# Altium PCB Charge ContollerV2.PcbDoc (part 1 of 2) (continued)
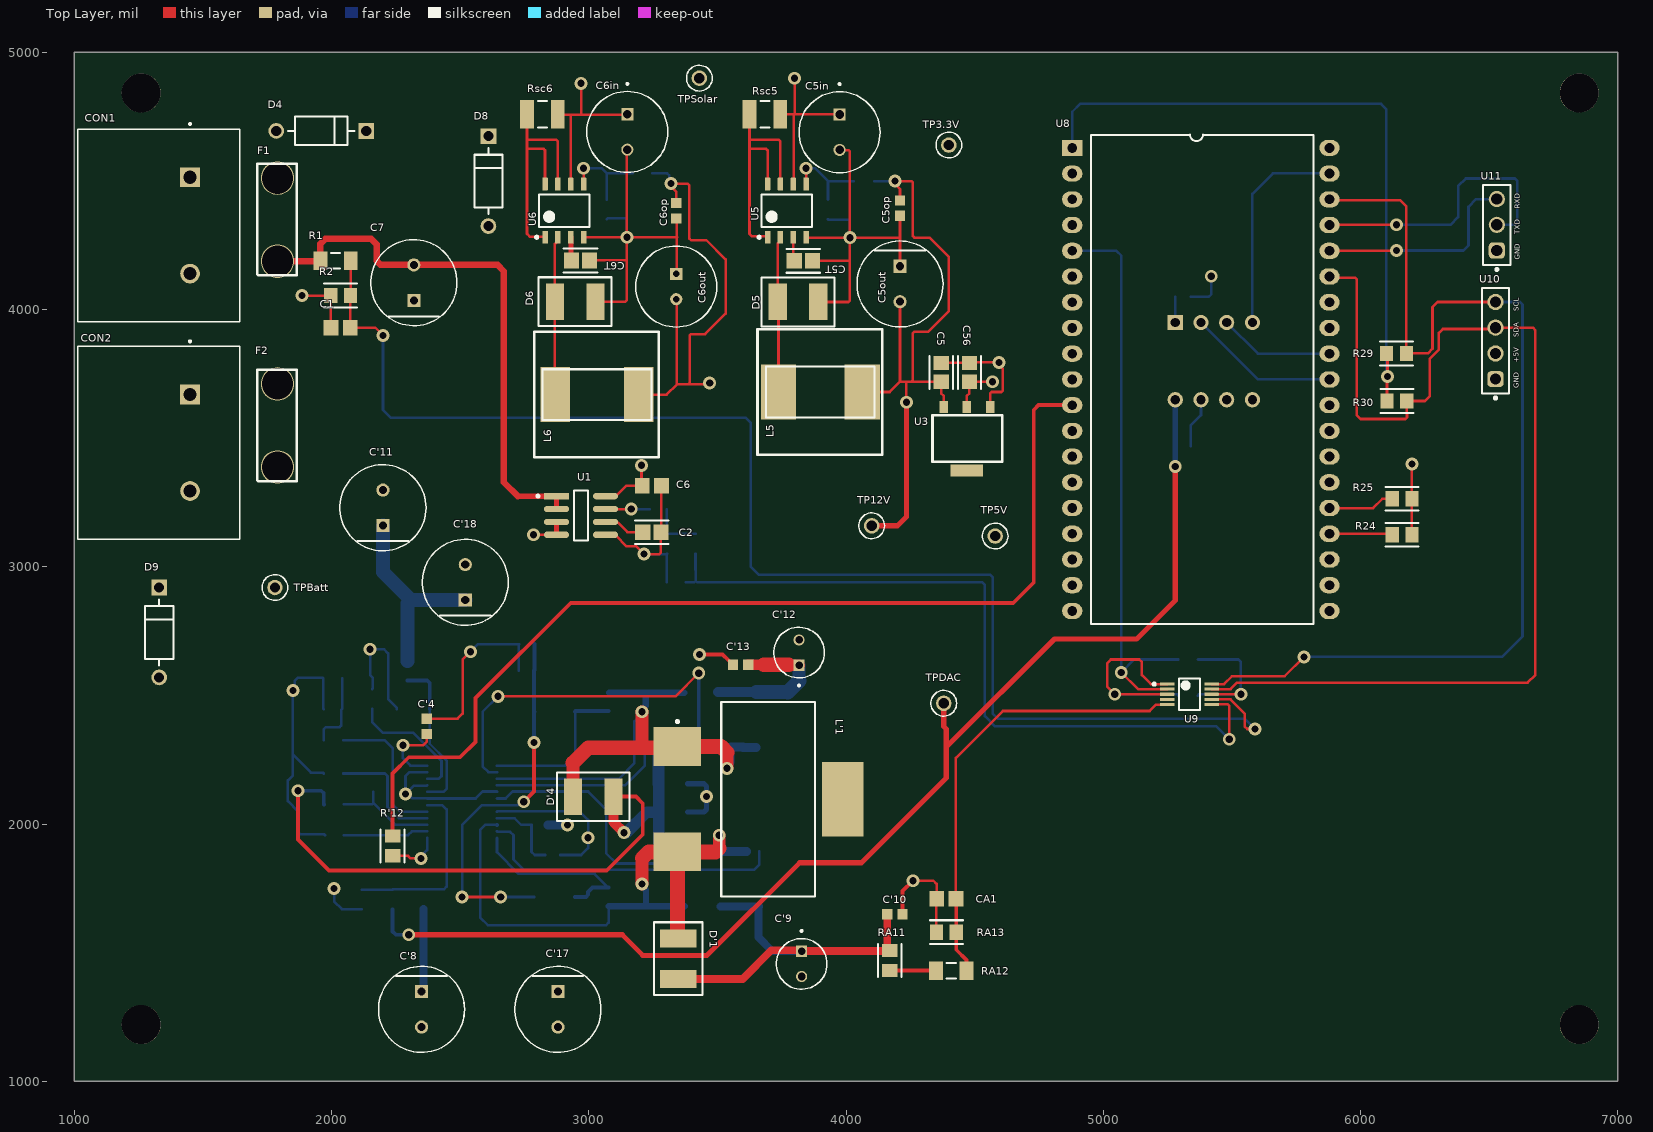
[diagram p0: Top Layer view]
## Components (designator, comment, footprint, x,y, rotation, side; value= is the part's Value field where it differs from the comment) (continued)
R'3 "0.068" "(1206) RESC3216X70X50NL05T20" 3327.5,2156.97 r180 bottom value=68mΩ
R'4 "0.068" "(1206) RESC3216X70X50NL05T20" 3327.5,2046.97 r180 bottom value=68mΩ
R'5 "100" FP-CRGCQ0805-IPC_A 2007.5,2196.97 r180 bottom value=100Ω
R'6 "178k" FP-RMCF0805-IPC_A 2357.5,1708.55 r270 bottom value=178kΩ
R'7 "Comment" "FP-CRGCQ0805-IPC_A - duplicate" 2237.5,1706.97 r270 bottom
R'8 "10.2k" FP-RMCF0805-IPC_A 2117.5,1706.97 r90 bottom value=10.2kΩ
R'9 "10k" FP-CRGCQ0805-IPC_A 2157.5,2486.97 r270 bottom value=10kΩ
R'10 "100k" "FP-CRGCQ0805-IPC_A - duplicate" 2007.5,2326.97 r0 bottom value=100kΩ
R'11 "10k" FP-CRGCQ0805-IPC_A 2295.27,2596.31 r90 bottom value=10kΩ
R'12 "10k" FP-CRGCQ0805-IPC_A 2237.5,1915.4 r270 top value=10kΩ
RA11 "100k" "FP-CRGCQ0805-IPC_A - duplicate" 4170,1470 r90 top value=100kΩ
RA12 "56k" FP-CRGCQ1206-IPC_A 4409.1,1430 r180 top value=56kΩ
RA13 "10k" FP-CRGCQ0805-IPC_A 4390,1580 r0 top value=10kΩ
Rsc5 "0.33" RESC3125X70X40ML20T20 3684.96,4760 r180 top value=330mΩ
Rsc6 "0.33" RESC3125X70X40ML20T20 2820,4760 r180 top value=330mΩ
TP3.3V "Comment" KEYSTONE_5000#1 4400,4640 r0 top
TP5V "Comment" KEYSTONE_5000#1 4580,3120 r0 top
TP12V "Comment" KEYSTONE_5000#1 4100,3160 r0 top
TPBatt "Comment" KEYSTONE_5000#1 1780,2920 r0 top
TPDAC "Comment" KEYSTONE_5000#2 4380,2470 r0 top
TPSolar "Comment" KEYSTONE_5000#1 3430,4900 r0 top
U1 "ACS712-30A" FP-LC-8-IPC_A 2969.88,3200 r0 top
U3 "AMS1117-5.0" AMS1117 4560.55,3621.06 r270 top
U4 "LTC3780" LT-G-24_N 2507.5,2086.97 r0 bottom
U5 "MC33063ADR" D0008A_L 3770,4385 r90 top
U6 "MC33063ADR" D0008A_L 2905,4385 r90 top
U7 "MCP4822-E/P (DAC)" "(DAC) PDIP300-P8" 5430,3800 r270 bottom
U8 "ESP32-DEVKITC-32UE" ESP32 4879.49,4628.94 r0 top
U9 "ADS1115" FP-DGS0010A-MFG 5335,2505 r0 top
U10 "Display Interface Port" "4 pin headers (male)" 6525,3879.21 r90 top
U11 "UART Pins" "UART Pins" 6530,4330 r90 top

## Footprints (in the part's own frame and the unit in brackets; to place one, negate y for a bottom-side part, rotate by r counter-clockwise, add the part's x,y. Pads: shape width x height; smd on the part's side, far side on the other; paste and mask are expansions set on the pad)
"4 pin headers (male)" [mm]
  rrect50% 1.6x1.6 hole 1.1: 1(-3.79,0)
  round 1.6 hole 1.1: 2(-1.25,0) 3(1.29,0) 4(3.83,0)
  silkscreen extent -5.78,-1.35 5.2,1.35
"(4.7u) COIL-SER2013-3_V" [mm] "SMD, 3-Leads, Body 19.18x9.27mm, Height 12.95mm"
  rect 3.81x4.7 smd: 1(-5.205,-8.96) 2(5.205,-8.96)
  rect 7.37x4.06 smd: 3(0,7.36)
  silkscreen extent -9.59,-9.08 9.59,4.63, body extent -9.59,-4.63 9.59,4.64, height 12.95
"(22u) CAPPRD250W50D500H1100" [mm]
  round 1.1 hole 0.75: N(1.25,0)
  rect 1.1x1.1 / inner round 1.1 / far side rect 1.1x1.1 hole 0.75: P(-1.25,0)
  silkscreen extent -3.35,-2.5 2.5,2.5, body extent -2.5,-2.5 2.5,2.5, height 11
"(0805) RESC2013X50X30LL20T20" [mm] "Chip Resistor, 2-Leads, Body 2.00x1.25mm, IPC High Density"
  rect 0.85x1.35 smd: 1(-0.825,0) 2(0.825,0)
  silkscreen extent -0.1,-0.58 0.1,0.58, body extent -1.1,-0.72 1.1,0.72, height 0.5
"(1206) RESC3216X70X50NL05T20" [mm] "Chip Resistor, 2-Leads, Body 3.20x1.60mm, IPC Medium Density"
  rect 1.1x1.65 smd: 1(-1.425,0) 2(1.425,0)
  silkscreen extent -0.5,-0.72 0.5,0.72, body extent -1.63,-0.82 1.62,0.82, height 0.7
"(DAC) PDIP300-P8" [mm] "8-Pin Plastic Dual In-Line Package (PDIP)"
  rect 1.5x1.5 hole 0.9: 1(-3.81,3.81)
  round 1.5 hole 0.9: 2(-3.81,1.27) 3(-3.81,-1.27) 4(-3.81,-3.81) 5(3.81,-3.81) 6(3.81,-1.27) 7(3.81,1.27) 8(3.81,3.81)
  silkscreen extent -3.93,-4.9 2.65,5.23, body extent -3.55,-4.9 3.55,4.9, height 4.32
"(KEMET 0805) FP-C0805C-DN-IPC_A" [mil]
  rect 59.24x61.27 smd paste+0 mask+0: 1(-35.46,0) 2(35.46,0)
  silkscreen extent -65,-46 65,46, body extent -39,-25 39,25, height 35
"(MMSZ5231BT1) ONSC-SOD-123-2-425-04_V" [mm] "SOD, 2-Leads, Body 2.69x1.6mm"
  rect 0.91x1.22 smd: 1(-1.635,0) 2(1.635,0)
  silkscreen extent -1.76,-0.8 0.78,1.28, body extent -1.35,-0.8 1.35,0.8, height 1.35
AMS1117 [mm]
  rect 1.2x0.85 smd: 1(0,0) 2(0,-2.3) 2(0,-4.6)
  rect 1.2x3.2 smd: 4(6.25,-2.3)
  silkscreen extent 0.8,-5.7 5.4,1.2, body extent -1.15,-5.8 7.35,1.2, height 0.25
CAPC1608X100N [mm]
  rect 1x1.02 smd: 1(-0.759,0) 2(0.759,0)
  body extent -0.8,-0.4 0.8,0.4, height 0.95
CAPC2013X140X45ML15T25 [mm] "Chip Capacitor, 2-Leads, Body 2.00x1.25mm, IPC Low Density"
  rect 1.45x1.55 smd: 1(-0.95,0) 2(0.95,0)
  body extent -1.08,-0.7 1.07,0.7, height 1.4
CAPPRD350W60D800H1150 [mm]
  round 1.2 hole 0.85: N(1.75,0)
  rect 1.2x1.2 hole 0.85: P(-1.75,0)
  silkscreen extent -4.85,-4 4,4, body extent -4,-4 4,4, height 11.5
CDBA3100 [mm]
  rect 1.8x3.6 smd: A(-2,0) K(2,0)
  silkscreen extent -3.6,-2.4 3.6,2.4, body extent -2.64,-1.4 2.64,1.4, height 2.34
D0008A_L [mm] "SOIC, 8-Leads, Body 5x4mm, Pitch 1.27mm, IPC High Density"
  rrect18% 1.25x0.55 smd: 1(-2.625,1.905) 2(-2.625,0.635) 3(-2.625,-0.635) 4(-2.625,-1.905) 5(2.625,-1.905) 6(2.625,-0.635) 7(2.625,0.635) 8(2.625,1.905)
  silkscreen extent -2.75,-2.5 1.6,2.85, body extent -3,-2.45 3,2.45, height 1.63
EEU-FR1E221 [mm]
  round 1.2 hole 0.65: N(1.25,0)
  rect 1.2x1.2 hole 0.65: P(-1.25,0)
  silkscreen extent -4,-4 4,4, body extent -3.39,-3.4 3.39,3.4, height 12.7
ESP32 [mm]
  rect 2x1.6 hole 0.965: 1(0,0)
  oval 2x1.6 hole 0.965: 2(0,-2.54) 3(0,-5.08) 4(0,-7.62) 5(0,-10.16) 6(0,-12.7) 7(0,-15.24) 8(0,-17.78) 9(0,-20.32) 10(0,-22.86) 11(0,-25.4) 12(0,-27.94) 13(0,-30.48) 14(0,-33.02) 15(0,-35.56) 16(0,-38.1) 17(0,-40.64) 18(0,-43.18) 19(0,-45.72) 20(25.4,-45.72) 21(25.4,-43.18) 22(25.4,-40.64) 23(25.4,-38.1) 24(25.4,-35.56) 25(25.4,-33.02) 26(25.4,-30.48) 27(25.4,-27.94) 28(25.4,-25.4) 29(25.4,-22.86) 30(25.4,-20.32) 31(25.4,-17.78) 32(25.4,-15.24) 33(25.4,-12.7) 34(25.4,-10.16) 35(25.4,-7.62) 36(25.4,-5.08) 37(25.4,-2.54) 38(25.4,0)
  silkscreen extent 1.84,-46.99 23.8,1.3
FDS5670 [mm]
  rect 1.525x0.7 smd: 1(-2.712,1.905) 2(-2.712,0.635) 3(-2.712,-0.635) 4(-2.712,-1.905) 5(2.712,-1.905) 6(2.712,-0.635) 7(2.712,0.635) 8(2.712,1.905)
  silkscreen extent -3.47,-2.45 1.6,2.61, body extent -3,-2.45 3,2.45, height 1.75
FP-1N4007-MFG [mm]
  rect 1.55x1.55 hole 1 paste-2539.97 mask+0: 1(-4.44,0)
  round 1.55 hole 1 paste-2539.97 mask+0: 2(4.44,0)
  silkscreen extent -3.26,-1.4 3.26,1.4, body extent -5.32,-1.5 5.32,1.5, height 0.25
FP-0297-MFG [mm]
  round 3.3 hole 3.1: 1(-4.1,0) 2(4.1,0)
  silkscreen extent -5.5,-1.9 5.5,2, body extent -5.45,-1.79 5.45,1.97, height 9.3
FP-CRGCQ0603-IPC_A [mil]
  rect 45.6x39.85 smd paste+0 mask+0: 1(-32.56,0) 2(32.56,0)
  silkscreen extent -55,-36 55,36, body extent -31,-16 31,16, height 22
FP-CRGCQ0805-IPC_A [mil]
  rect 51.42x59.44 smd paste+0 mask+0: 1(-38.43,0) 2(38.43,0)
  silkscreen extent -64,-46 64,46, body extent -84,-49 84,49, height 10
"FP-CRGCQ0805-IPC_A - duplicate" [mil]
  rect 51.42x59.44 smd paste+0 mask+0: 1(-38.43,0) 2(38.43,0)
  silkscreen extent -64,-46 64,46, body extent -39,-25 39,25, height 26
FP-CRGCQ1206-IPC_A [mil]
  rect 53.39x71.25 smd paste+0 mask+0: 1(-59.1,0) 2(59.1,0)
  silkscreen extent -18,-31 18,31, body extent -105,-55 105,55, height 10
FP-DGS0010A-MFG [mm]
  rrect33% 1.45x0.3 smd paste+0 mask+0: 1(-2.2,1) 2(-2.2,0.5) 3(-2.2,0) 4(-2.2,-0.5) 5(-2.2,-1) 6(2.2,-1) 7(2.2,-0.5) 8(2.2,0) 9(2.2,0.5) 10(2.2,1)
  silkscreen extent -3.6,-1.55 1.05,1.55, body extent -3.03,-1.8 3.03,1.8, height 0.25
FP-GCM21B-0_2-e0_3_0_75-IPC_A [mil]
  rect 59.24x61.27 smd paste+0 mask+0: 1(-35.46,0) 2(35.46,0)
  silkscreen extent -65,-46 65,46, body extent -85,-50 85,50, height 10
FP-GCM21B-0_15-IPC_A [mil]
  rect 55.34x59.38 smd paste+0 mask+0: 1(-36.47,0) 2(36.47,0)
  silkscreen extent -64,-45 64,45, body extent -39,-25 39,25, height 55
FP-GRM21B-0_15-IPC_A [mil]
  rect 55.34x59.38 smd paste+0 mask+0: 1(-36.47,0) 2(36.47,0)
  silkscreen extent -64,-45 64,45, body extent -39,-25 39,25, height 55
FP-LC-8-IPC_A [mil]
  rect 97.4x24.49 smd paste+0 mask+0: 1(-95.12,75)
  rrect100% 97.4x24.49 smd paste+0 mask+0: 2(-95.12,25) 3(-95.12,-25) 4(-95.12,-75) 5(95.12,-75) 6(95.12,-25) 7(95.12,25) 8(95.12,75)
  silkscreen extent -172,-96 27,96, body extent -164,-116 164,116, height 10
"FP-RAD-TH-D_8_0_5-L_11_5-MFG - duplicate" [mm]
  rect 1.3x1.3 hole 0.8 paste-2539.97 mask+0: 1(-1.75,0)
  round 1.3 hole 0.8 paste-2539.97 mask+0: 2(1.75,0)
  silkscreen extent -4.25,-4.25 4.25,4.25, body extent -4.35,-4.35 4.35,4.35, height 0.25
FP-RAD-TH-D_8_0_5-L_15_1-MFG [mm]
  rect 1.3x1.3 hole 0.8 paste-2539.97 mask+0: 1(-1.75,0)
  round 1.3 hole 0.8 paste-2539.97 mask+0: 2(1.75,0)
  silkscreen extent -4.25,-4.25 4.25,4.25, body extent -4.35,-4.35 4.35,4.35, height 0.25
FP-RMCF0805-IPC_A [mil]
  rect 53.33x57.56 smd paste+0 mask+0: 1(-38.42,0) 2(38.42,0)
  silkscreen extent -65,-45 65,45, body extent -39,-25 39,25, height 26
KEYSTONE_5000#1 [mm]
  round 1.53 hole 1.02: TP(0,0)
  silkscreen extent -1.27,-1.27 1.27,1.27, body extent -1.27,-1.27 1.27,1.27, height 4.57
KEYSTONE_5000#2 [mm]
  round 1.53 hole 1.02: TPDAC(0,0)
  silkscreen extent -1.27,-1.27 1.27,1.27, body extent -1.27,-1.27 1.27,1.27, height 4.57
LT-G-24_N [mm] "SOP, 24-Leads, Body 8.5x5.6mm, Pitch 0.65mm, IPC Medium Density"
  oval 2.1x0.45 smd: 1(-3.45,3.575) 2(-3.45,2.925) 3(-3.45,2.275) 4(-3.45,1.625) 5(-3.45,0.975) 6(-3.45,0.325) 7(-3.45,-0.325) 8(-3.45,-0.975) 9(-3.45,-1.625) 10(-3.45,-2.275) 11(-3.45,-2.925) 12(-3.45,-3.575) 13(3.45,-3.575) 14(3.45,-2.925) 15(3.45,-2.275) 16(3.45,-1.625) 17(3.45,-0.975) 18(3.45,-0.325) 19(3.45,0.325) 20(3.45,0.975) 21(3.45,1.625) 22(3.45,2.275) 23(3.45,2.925) 24(3.45,3.575)
  silkscreen extent -3.57,-4.25 2,4.47, body extent -2.8,-4.25 2.8,4.25, height 2
PHOENIX_1902547 [mm]
  rect 1.95x1.95 / inner round 1.95 / far side rect 1.95x1.95 hole 1.3: 1(4.76,11.1)
  round 1.95 hole 1.3: 2(14.28,11.1)
  silkscreen extent -0.6,0 19.04,16
RESC2013X60X30ML20T20 [mm] "Chip Resistor, 2-Leads, Body 2.00x1.25mm, IPC Low Density"
  rect 1.25x1.55 smd: 1(-1.025,0) 2(1.025,0)
  silkscreen extent -0.1,-0.67 0.1,0.67, body extent -1.1,-0.72 1.1,0.72, height 0.6
RESC3125X70X40ML20T20 [mm] "Chip Resistor, 2-Leads, Body 3.10x2.50mm, IPC Low Density"
  rect 1.35x2.8 smd: 1(-1.525,0) 2(1.525,0)
  silkscreen extent -0.45,-1.3 0.45,1.3, body extent -1.65,-1.35 1.65,1.35, height 0.7
SRR1260-681K [mm]
  rect 2.9x5.4 smd: 1(-4.125,0) 2(4.125,0)
  silkscreen extent -6.2,-6.2 6.1,6.2, body extent -6.25,-6.25 6.25,6.25, height 6
SRR1280-821K [mm]
  rect 3.5x5.4 smd: 1(-4.125,0) 2(4.125,0)
  silkscreen extent -6.2,-6.2 6.1,6.2, body extent -6.35,-6.35 6.35,6.35, height 8.25
"UART Pins" [mm]
  rrect50% 1.6x1.6 hole 1.1: 1(-2.54,0)
  round 1.6 hole 1.1: 2(0,0) 3(2.54,0)
  silkscreen extent -4.53,-1.35 3.95,1.35

## Part data
C1 C6 C20 CA1: library part GCM21BR71E104KA37L, "Ceramic Capacitor, Ceramic, 25V, 10% +Tol, 10% -Tol, X7R, 15% TC, 0.1uF, Surface Mount, 0805", Case Code (Imperial)=0805, Case Code (Metric)=2012, Dielectric=X7R, Dielectric Material=Ceramic, Manufacturer=Murata, Manufacturer Lifecycle Status=NRND, Max Operating Temperature=125°C, Min Operating Temperature=-55°C, Ratings=AEC-Q200, Supplier Part Number=490-14779-1-ND, Tolerance=10%, Voltage Rating=25V, Case/Package=0805, Category="Ceramic Capacitors", ComponentLink1Description=https://datasheet.octopart.com:443/GCM21BR71E104KA37L-Murata-datasheet-141268656.pdf?src-supplier=Geoflip, ComponentLink1URL=https://datasheet.octopart.com:443/GCM21BR71E104KA37L-Murata-datasheet-141268656.pdf?src-supplier=Geoflip, ComponentLink2Description=https://datasheet.octopart.com:443/GCM21BR71E104KA37L-Murata-datasheet-140660253.pdf?src-supplier=Ciiva, ComponentLink2URL=https://datasheet.octopart.com:443/GCM21BR71E104KA37L-Murata-datasheet-140660253.pdf?src-supplier=Ciiva, ComponentLink3Description=https://datasheet.octopart.com:443/GCM21BR71E104KA37L-Murata-datasheet-138719617.pdf?src-supplier=Ciiva, ComponentLink3URL=https://datasheet.octopart.com:443/GCM21BR71E104KA37L-Murata-datasheet-138719617.pdf?src-supplier=Ciiva, ComponentLink4Description=https://datasheet.octopart.com:443/GCM21BR71E104KA37L-Murata-datasheet-128592896.pdf?src-supplier=X-ON, ComponentLink4URL=https://datasheet.octopart.com:443/GCM21BR71E104KA37L-Murata-datasheet-128592896.pdf?src-supplier=X-ON, ComponentLink5Description=https://datasheet.octopart.com/GCM21BR71E104KA37L-Murata-datasheet-14404970.pdf, ComponentLink5URL=https://datasheet.octopart.com/GCM21BR71E104KA37L-Murata-datasheet-14404970.pdf, ComponentLink6Description=http://sigma.octopart.com:80/reach_statement/Murata-company-16.pdf?src-supplier=Compliance+Statements, ComponentLink6URL=http://sigma.octopart.com:80/reach_statement/Murata-company-16.pdf?src-supplier=Compliance+Statements, Depth=1.25mm, Height=1.25mm, Length=2mm, Lifecycle Status=NRND, Manufacturer Part Number=GCM21BR71E104KA37L, Mounting Technology="Surface Mount", Number of Terminals=2, Pricing="1=0.35, 10=0.208, 50=0.1528, 100=0.1358, 500=0.10726, 1000=0.09846 (USD)", Radiation Hardening=No, REACH SVHC=Yes, RoHS=Compliant, Schedule B="8532240020, 8532240020|8532240020|8532240020|8532240020|8532240020", Stock=12316, Supplier=DigiKey, Termination=SMD/SMT, Voltage Rating (DC)=25V, Width=1.25mm
C2 C5T C6T: library part GCM21B5C2J102JX03L, "0805 0.001 uF 630 V ±5% Tolerance C0G/NP0 SMT Multilayer Ceramic Capacitor", Case/Package=0805, Dielectric Material=Ceramic, Manufacturer=Murata, Manufacturer Lifecycle Status="IN PRODUCTION", Max Operating Temperature=125°C, Min Operating Temperature=-55°C, Supplier Part Number=490-GCM21B5C2J102JX03LCT-ND, Temperature Coefficient=30ppm/°C, Tolerance=5%, Voltage Rating=630V, Category="Ceramic Capacitors", ComponentLink1Description=https://datasheet.octopart.com:443/GCM21B5C2J102JX03L-Murata-datasheet-141268573.pdf?src-supplier=Geoflip, ComponentLink1URL=https://datasheet.octopart.com:443/GCM21B5C2J102JX03L-Murata-datasheet-141268573.pdf?src-supplier=Geoflip, ComponentLink2Description=https://datasheet.octopart.com:443/GCM21B5C2J102JX03L-Murata-datasheet-155238819.pdf?src-supplier=Farnell, ComponentLink2URL=https://datasheet.octopart.com:443/GCM21B5C2J102JX03L-Murata-datasheet-155238819.pdf?src-supplier=Farnell, ComponentLink3Description=https://datasheet.octopart.com:443/GCM21B5C2J102JX03L-Murata-datasheet-140660053.pdf?src-supplier=Ciiva, ComponentLink3URL=https://datasheet.octopart.com:443/GCM21B5C2J102JX03L-Murata-datasheet-140660053.pdf?src-supplier=Ciiva, ComponentLink4Description=https://datasheet.octopart.com:443/GCM21B5C2J102JX03L-Murata-datasheet-138719490.pdf?src-supplier=Ciiva, ComponentLink4URL=https://datasheet.octopart.com:443/GCM21B5C2J102JX03L-Murata-datasheet-138719490.pdf?src-supplier=Ciiva, ComponentLink5Description=https://datasheet.octopart.com:443/GCM21B5C2J102JX03L-Murata-datasheet-12511495.pdf?src-supplier=TME, ComponentLink5URL=https://datasheet.octopart.com:443/GCM21B5C2J102JX03L-Murata-datasheet-12511495.pdf?src-supplier=TME, ComponentLink6Description=http://sigma.octopart.com:80/reach_statement/Murata-company-16.pdf?src-supplier=Compliance+Statements, ComponentLink6URL=http://sigma.octopart.com:80/reach_statement/Murata-company-16.pdf?src-supplier=Compliance+Statements, Height=1.25mm, Length=2mm, Lifecycle Status=Production, Manufacturer Part Number=GCM21B5C2J102JX03L, Material=Ceramic, Mounting Technology="Surface Mount", Number of Terminals=2, Pricing="1=0.3, 10=0.175, 50=0.1276, 100=0.1131, 500=0.08846, 1000=0.08087 (USD)", REACH SVHC=Yes, RoHS=Compliant, Stock=5835, Supplier=DigiKey, Thickness=1.25mm, Voltage Rating (DC)=630V, Width=1.25mm
C5 C56: library part GRM21BC81E106KE51L, "Ceramic Capacitor, Ceramic, 25V, 10% +Tol, 10% -Tol, X6S, 22% TC, 10uF, Surface Mount, 0805", Case Code (Imperial)=0805, Case Code (Metric)=2012, Dielectric=X6S, Dielectric Material=Ceramic, Manufacturer=Murata, Manufacturer Lifecycle Status="IN PRODUCTION", Max Operating Temperature=105°C, Min Operating Temperature=-55°C, Supplier Part Number=490-10502-1-ND, Tolerance=10%, Voltage Rating=25V, Case/Package=0805, Category="Ceramic Capacitors", ComponentLink1Description=https://datasheet.octopart.com:443/GRM21BC81E106KE51L-Murata-datasheet-155239200.pdf?src-supplier=Newark, ComponentLink1URL=https://datasheet.octopart.com:443/GRM21BC81E106KE51L-Murata-datasheet-155239200.pdf?src-supplier=Newark, ComponentLink2Description=https://datasheet.octopart.com:443/GRM21BC81E106KE51L-Murata-datasheet-178521784.pdf?src-supplier=Arrow.cn, ComponentLink2URL=https://datasheet.octopart.com:443/GRM21BC81E106KE51L-Murata-datasheet-178521784.pdf?src-supplier=Arrow.cn, ComponentLink3Description=https://datasheet.octopart.com:443/GRM21BC81E106KE51L-Murata-datasheet-165579666.pdf?src-supplier=TME, ComponentLink3URL=https://datasheet.octopart.com:443/GRM21BC81E106KE51L-Murata-datasheet-165579666.pdf?src-supplier=TME, ComponentLink4Description=https://datasheet.octopart.com:443/GRM21BC81E106KE51L-Murata-datasheet-140707432.pdf?src-supplier=Ciiva, ComponentLink4URL=https://datasheet.octopart.com:443/GRM21BC81E106KE51L-Murata-datasheet-140707432.pdf?src-supplier=Ciiva, ComponentLink5Description=https://datasheet.octopart.com:443/GRM21BC81E106KE51L-Murata-datasheet-140706587.pdf?src-supplier=Ciiva, ComponentLink5URL=https://datasheet.octopart.com:443/GRM21BC81E106KE51L-Murata-datasheet-140706587.pdf?src-supplier=Ciiva, ComponentLink6Description=https://datasheet.octopart.com:443/GRM21BC81E106KE51L-Murata-datasheet-138744753.pdf?src-supplier=Ciiva, ComponentLink6URL=https://datasheet.octopart.com:443/GRM21BC81E106KE51L-Murata-datasheet-138744753.pdf?src-supplier=Ciiva, ComponentLink7Description=https://datasheet.octopart.com:443/GRM21BC81E106KE51L-Murata-datasheet-32479577.pdf?src-supplier=Future+Electronics, ComponentLink7URL=https://datasheet.octopart.com:443/GRM21BC81E106KE51L-Murata-datasheet-32479577.pdf?src-supplier=Future+Electronics, ComponentLink8Description=https://datasheet.octopart.com/GRM21BC81E106KE51L-Murata-datasheet-12515295.pdf, ComponentLink8URL=https://datasheet.octopart.com/GRM21BC81E106KE51L-Murata-datasheet-12515295.pdf, ComponentLink9Description=https://datasheet.octopart.com/GRM21BC81E106KE51L-Murata-datasheet-12510076.pdf, ComponentLink9URL=https://datasheet.octopart.com/GRM21BC81E106KE51L-Murata-datasheet-12510076.pdf, ComponentLink10Description=https://datasheet.octopart.com/GRM21BC81E106KE51L-Murata-datasheet-11978611.pdf, ComponentLink10URL=https://datasheet.octopart.com/GRM21BC81E106KE51L-Murata-datasheet-11978611.pdf, ComponentLink11Description=https://datasheet.octopart.com/GRM21BC81E106KE51L-Murata-datasheet-10025737.pdf, ComponentLink11URL=https://datasheet.octopart.com/GRM21BC81E106KE51L-Murata-datasheet-10025737.pdf, ComponentLink12Description=https://datasheet.octopart.com/GRM21BC81E106KE51L-Murata-datasheet-8819587.pdf, ComponentLink12URL=https://datasheet.octopart.com/GRM21BC81E106KE51L-Murata-datasheet-8819587.pdf, ComponentLink13Description=https://datasheet.octopart.com/GRM21BC81E106KE51L-Murata-datasheet-38883375.pdf, ComponentLink13URL=https://datasheet.octopart.com/GRM21BC81E106KE51L-Murata-datasheet-38883375.pdf, ComponentLink14Description=http://sigma.octopart.com:80/reach_statement/Murata-company-16.pdf?src-supplier=Compliance+Statements, ComponentLink14URL=http://sigma.octopart.com:80/reach_statement/Murata-company-16.pdf?src-supplier=Compliance+Statements, Height=1.25mm, Length=2mm, Lifecycle Status=Production, Manufacturer Part Number=GRM21BC81E106KE51L, Material=Ceramic, Mounting Technology="Surface Mount", Number of Terminals=2, Pricing="1=0.23, 10=0.133, 50=0.0956, 100=0.0841, 500=0.06476, 1000=0.05881 (USD)", REACH SVHC=Yes, RoHS=Compliant, Schedule B="8532240020, 8532240020|8532240020|8532240020|8532240020|8532240020|8532240020|8532240020|8532240020|8532240020|8532240020|8532240020|8532240020|8532240020|8532240020|8532240020|8532240020|8532240020|8532240020|8532240020|8532240020|8532240020|8532240020|8532240020|85", Stock=699194, Supplier=DigiKey, Thickness=1.25mm, Voltage Rating (DC)=25V, Width=1.25mm
C5in C6in: library part EEU-FR1V101B, "FR ALUMINUM ELECTROLYTIC CAPACITOR Radial Can aluminum electrolytic capacitor 0.315Dia 8.00mm ±20% 100muF 35V", Case/Package=Radial, Manufacturer=Panasonic, Max Operating Temperature=105°C, Min Operating Temperature=-40°C, Ripple Current=950mA, Supplier Part Number=P124226CT-ND, Tolerance=20%, Category="Aluminum Electrolytic Capacitors", ComponentLink1Description=https://datasheet.octopart.com:443/EEU-FR1V101B-Panasonic-datasheet-62330550.pdf?src-supplier=Electro+Sonic, ComponentLink1URL=https://datasheet.octopart.com:443/EEU-FR1V101B-Panasonic-datasheet-62330550.pdf?src-supplier=Electro+Sonic, Contact Plating=Tin, Diameter=8mm, Lead Diameter=600µm, Lead Pitch=5mm, Life (Hours)=6000hours, Manufacturer Part Number=EEU-FR1V101B, Mounting Technology="Through Hole", Pricing="1=0.61, 10=0.383, 50=0.2852, 100=0.2542, 500=0.20076 (USD)", RoHS=Compliant, Schedule B="8532220020, 8532220020|8532220020, 8532220020|8532220020|8532220020, 8532220020|8532220020|8532220020|8532220020", Stock=15444, Supplier=DigiKey, Termination=Radial
C5op C6op C'2: library part GRM188R61E475KE11D
C5out C7: library part EEUFR1E221, "Radial Can ALUMINUM ELECTROLYTIC CAPACITOR FR 25V 220muF ±20% 0.315Dia 8.00mm", Case/Package=Radial, Leakage Current=55µA, Manufacturer=Panasonic, Max Operating Temperature=105°C, Min Operating Temperature=-40°C, Ripple Current=665mA, Ripple Current (AC)=950mA, Supplier Part Number=P124223-ND, Tolerance=20%, Voltage=25V, Category="Aluminum Electrolytic Capacitors", ComponentLink1Description=https://datasheet.octopart.com:443/EEUFR1E221-Panasonic-datasheet-182101038.pdf?src-supplier=IHS, ComponentLink1URL=https://datasheet.octopart.com:443/EEUFR1E221-Panasonic-datasheet-182101038.pdf?src-supplier=IHS, ComponentLink2Description=https://datasheet.octopart.com:443/EEUFR1E221-Panasonic-datasheet-62330550.pdf?src-supplier=Electro+Sonic, ComponentLink2URL=https://datasheet.octopart.com:443/EEUFR1E221-Panasonic-datasheet-62330550.pdf?src-supplier=Electro+Sonic, ComponentLink3Description=https://datasheet.octopart.com:443/EEU-FR1E221-Panasonic-datasheet-154766147.pdf?src-supplier=Electro+Sonic, ComponentLink3URL=https://datasheet.octopart.com:443/EEU-FR1E221-Panasonic-datasheet-154766147.pdf?src-supplier=Electro+Sonic, ComponentLink4Description=https://datasheet.octopart.com:443/EEUFR1E221-Panasonic-datasheet-38939130.pdf?src-supplier=element14+APAC, ComponentLink4URL=https://datasheet.octopart.com:443/EEUFR1E221-Panasonic-datasheet-38939130.pdf?src-supplier=element14+APAC, ComponentLink5Description=https://datasheet.octopart.com:443/EEUFR1E221-Panasonic-datasheet-12103130.pdf?src-supplier=Newark, ComponentLink5URL=https://datasheet.octopart.com:443/EEUFR1E221-Panasonic-datasheet-12103130.pdf?src-supplier=Newark, ComponentLink6Description=https://datasheet.octopart.com:443/EEUFR1E221-Panasonic-datasheet-150469843.pdf?src-supplier=TME, ComponentLink6URL=https://datasheet.octopart.com:443/EEUFR1E221-Panasonic-datasheet-150469843.pdf?src-supplier=TME, ComponentLink7Description=https://datasheet.octopart.com:443/EEUFR1E221-Panasonic-datasheet-27908667.pdf?src-supplier=RS+(Formerly+Allied+Electronics), ComponentLink7URL=https://datasheet.octopart.com:443/EEUFR1E221-Panasonic-datasheet-27908667.pdf?src-supplier=RS+(Formerly+Allied+Electronics), Contact Plating=Tin, Diameter=8mm, Dissipation Factor=14%, Height=13mm, Impedance=56mΩ, Lead Diameter=600µm, Lead Pitch=3.5mm, Length=11.5mm, Life (Hours)=6000hours, Lifecycle Status=Production, Manufacturer Part Number=EEUFR1E221, Mounting Technology="Through Hole", Number of Terminals=2, Packaging=Bulk, Pricing="1=0.63, 10=0.392, 50=0.2922, 200=0.2341, 600=0.20098, 1000=0.18857, 2600=0.16944, 5000=0.15889 (USD)", REACH SVHC=Yes, RoHS=Compliant, Stock=3062, Supplier=DigiKey, Terminal Pitch=3.5mm, Termination=Radial, Voltage Rating=25V, Voltage Rating (DC)=25V
C6out: library part ESH227M016AE3AA, "Cap Aluminum Lytic 220uF 16V 20% (6.3 X 11mm) Radial 2.5mm 220mA 2000h 105°C Bag", Case/Package=Radial, Dielectric Material=Aluminium, Leakage Current=35.2µA, Manufacturer=KEMET, Max Operating Temperature=105°C, Min Operating Temperature=-40°C, Ripple Current=220mA, Supplier Part Number=399-6566-ND, Tolerance=20%, Voltage=16V, Category="Aluminum Electrolytic Capacitors", ComponentLink1Description=https://datasheet.octopart.com:443/ESH227M016AE3AA-KEMET-datasheet-182055906.pdf?src-supplier=IHS, ComponentLink1URL=https://datasheet.octopart.com:443/ESH227M016AE3AA-KEMET-datasheet-182055906.pdf?src-supplier=IHS, ComponentLink2Description=https://datasheet.octopart.com:443/ESH227M016AE3AA-KEMET-datasheet-141704034.pdf?src-supplier=Newark, ComponentLink2URL=https://datasheet.octopart.com:443/ESH227M016AE3AA-KEMET-datasheet-141704034.pdf?src-supplier=Newark, ComponentLink3Description=https://datasheet.octopart.com:443/ESH227M016AE3AA-KEMET-datasheet-101608928.pdf?src-supplier=Farnell, ComponentLink3URL=https://datasheet.octopart.com:443/ESH227M016AE3AA-KEMET-datasheet-101608928.pdf?src-supplier=Farnell, ComponentLink4Description=https://datasheet.octopart.com:443/ESH227M016AE3AA-KEMET-datasheet-181964410.pdf?src-supplier=Farnell, ComponentLink4URL=https://datasheet.octopart.com:443/ESH227M016AE3AA-KEMET-datasheet-181964410.pdf?src-supplier=Farnell, ComponentLink5Description=https://datasheet.octopart.com:443/ESH227M016AE3AA-KEMET-datasheet-157246171.pdf?src-supplier=element14+APAC, ComponentLink5URL=https://datasheet.octopart.com:443/ESH227M016AE3AA-KEMET-datasheet-157246171.pdf?src-supplier=element14+APAC, ComponentLink6Description=https://datasheet.octopart.com:443/ESH227M016AE3AA-Kemet-datasheet-11048206.pdf?src-supplier=RS+(Formerly+Allied+Electronics), ComponentLink6URL=https://datasheet.octopart.com:443/ESH227M016AE3AA-Kemet-datasheet-11048206.pdf?src-supplier=RS+(Formerly+Allied+Electronics), Diameter=6.3mm, Dissipation Factor=18%, Features="General Purpose", Height=11mm, Height - Seated (Max)=12.4968mm, Lead Diameter=500µm, Lead Length=20mm, Lead Pitch=2.4892mm, Length=11mm, Life (Hours)=2000hours, Lifecycle Status=Production, Manufacturer Part Number=ESH227M016AE3AA, Mounting Technology="PCB, Through Hole", Number of Terminals=2, Packaging=Bulk, Pricing="1=0.26, 10=0.159, 50=0.1154, 100=0.1014, 500=0.07722, 1000=0.06957, 2500=0.06138, 5000=0.05639 (USD)", REACH SVHC=Yes, RoHS=Compliant, Schedule B="8532220020, 8532220020|8532220020|8532220020|8532220020|8532220020", Stock=18656, Supplier=DigiKey, Terminal Pitch=2.5mm, Termination=Radial, Voltage Rating=16V, Voltage Rating (DC)=16V
C9: library part GCM21BR71E225KA73L, "Ceramic Capacitor, Ceramic, 25V, 10% +Tol, 10% -Tol, X7R, 15% TC, 2.2uF, Surface Mount, 0805", Case Code (Imperial)=0805, Case Code (Metric)=2012, Dielectric=X7R, Dielectric Material=Ceramic, Manufacturer=Murata, Manufacturer Lifecycle Status="IN PRODUCTION", Max Operating Temperature=125°C, Min Operating Temperature=-55°C, Ratings=AEC-Q200, Supplier Part Number=490-4787-1-ND, Tolerance=10%, Voltage=25V, Case/Package=0805, Category="Ceramic Capacitors", ComponentLink1Description=https://datasheet.octopart.com:443/GCM21BR71E225KA73L-Murata-datasheet-39128454.pdf?src-supplier=Newark, ComponentLink1URL=https://datasheet.octopart.com:443/GCM21BR71E225KA73L-Murata-datasheet-39128454.pdf?src-supplier=Newark, ComponentLink2Description=https://datasheet.octopart.com:443/GCM21BR71E225KA73L-Murata-datasheet-62316965.pdf?src-supplier=element14+APAC, ComponentLink2URL=https://datasheet.octopart.com:443/GCM21BR71E225KA73L-Murata-datasheet-62316965.pdf?src-supplier=element14+APAC, ComponentLink3Description=https://datasheet.octopart.com:443/GCM21BR71E225KA73L-Murata-datasheet-141268671.pdf?src-supplier=Geoflip, ComponentLink3URL=https://datasheet.octopart.com:443/GCM21BR71E225KA73L-Murata-datasheet-141268671.pdf?src-supplier=Geoflip, ComponentLink4Description=https://datasheet.octopart.com/GCM21BR71E225KA73L-Murata-datasheet-12524114.pdf, ComponentLink4URL=https://datasheet.octopart.com/GCM21BR71E225KA73L-Murata-datasheet-12524114.pdf, ComponentLink5Description=https://datasheet.octopart.com:443/GCM21BR71E225KA73L-Murata-datasheet-178519998.pdf?src-supplier=Arrow.cn, ComponentLink5URL=https://datasheet.octopart.com:443/GCM21BR71E225KA73L-Murata-datasheet-178519998.pdf?src-supplier=Arrow.cn, ComponentLink6Description=https://datasheet.octopart.com:443/GCM21BR71E225KA73L-Murata-datasheet-140660268.pdf?src-supplier=Ciiva, ComponentLink6URL=https://datasheet.octopart.com:443/GCM21BR71E225KA73L-Murata-datasheet-140660268.pdf?src-supplier=Ciiva, ComponentLink7Description=https://datasheet.octopart.com:443/GCM21BR71E225KA73L-Murata-datasheet-138719632.pdf?src-supplier=Ciiva, ComponentLink7URL=https://datasheet.octopart.com:443/GCM21BR71E225KA73L-Murata-datasheet-138719632.pdf?src-supplier=Ciiva, ComponentLink8Description=https://datasheet.octopart.com:443/GCM21BR71E225KA73L-Murata-datasheet-81857033.pdf?src-supplier=TME, ComponentLink8URL=https://datasheet.octopart.com:443/GCM21BR71E225KA73L-Murata-datasheet-81857033.pdf?src-supplier=TME, ComponentLink9Description=https://datasheet.octopart.com:443/GCM21BR71E225KA73L-Murata-datasheet-44104626.pdf?src-supplier=Future+Electronics, ComponentLink9URL=https://datasheet.octopart.com:443/GCM21BR71E225KA73L-Murata-datasheet-44104626.pdf?src-supplier=Future+Electronics, ComponentLink10Description=http://sigma.octopart.com:80/reach_statement/Murata-company-16.pdf?src-supplier=Compliance+Statements, ComponentLink10URL=http://sigma.octopart.com:80/reach_statement/Murata-company-16.pdf?src-supplier=Compliance+Statements, Depth=1.25mm, Height=1.25mm, Lead Free="Lead Free", Length=2mm, Lifecycle Status=Production, Manufacturer Part Number=GCM21BR71E225KA73L, Material=Ceramic, Mounting Technology="Surface Mount", Number of Terminals=2, Packaging="Cut Tape", Pricing="1=0.4, 10=0.24, 50=0.1772, 100=0.1492, 500=0.11876, 1000=0.10466, 3000=0.07678, 6000=0.07454, 9000=0.07305 (USD)", Radiation Hardening=No, REACH SVHC=Yes, RoHS=Compliant, Schedule B="8532240020, 8532240020|8532240020, 8532240020|8532240020|8532240020, 8532240020|8532240020|8532240020|8532240020", Stock=533255, Supplier=DigiKey, Termination=SMD/SMT, Voltage Rating=25V, Voltage Rating (DC)=25V, Width=1.25mm
C'1 C'3 C'4 C'10 C'13 CD1 CD2: library part GCM188R71H104KA57J, "0603 50 V 0.1 uF X7R ±10% Tolerance SMT Multilayer Ceramic Capacitor", Case Code (Imperial)=0603, Case Code (Metric)=1608, Dielectric=X7R, Dielectric Material=Ceramic, Manufacturer=Murata, Manufacturer Lifecycle Status=NRND, Max Operating Temperature=125°C, Min Operating Temperature=-55°C, Ratings=AEC-Q200, Supplier Part Number=490-8020-1-ND, Tolerance=10%, Voltage Rating=50V, Case/Package=0603, Category="Ceramic Capacitors", ComponentLink1Description=https://datasheet.octopart.com:443/GCM188R71H104KA57J-Murata-datasheet-68587539.pdf?src-supplier=Newark, ComponentLink1URL=https://datasheet.octopart.com:443/GCM188R71H104KA57J-Murata-datasheet-68587539.pdf?src-supplier=Newark, ComponentLink2Description=https://datasheet.octopart.com:443/GCM188R71H104KA57J-Murata-datasheet-141267633.pdf?src-supplier=Geoflip, ComponentLink2URL=https://datasheet.octopart.com:443/GCM188R71H104KA57J-Murata-datasheet-141267633.pdf?src-supplier=Geoflip, ComponentLink3Description=https://datasheet.octopart.com:443/GCM188R71H104KA57J-Murata-datasheet-140658746.pdf?src-supplier=Ciiva, ComponentLink3URL=https://datasheet.octopart.com:443/GCM188R71H104KA57J-Murata-datasheet-140658746.pdf?src-supplier=Ciiva, ComponentLink4Description=https://datasheet.octopart.com:443/GCM188R71H104KA57J-Murata-datasheet-138718311.pdf?src-supplier=Ciiva, ComponentLink4URL=https://datasheet.octopart.com:443/GCM188R71H104KA57J-Murata-datasheet-138718311.pdf?src-supplier=Ciiva, ComponentLink5Description=https://datasheet.octopart.com:443/GCM188R71H104KA57J-Murata-datasheet-62117434.pdf?src-supplier=TME, ComponentLink5URL=https://datasheet.octopart.com:443/GCM188R71H104KA57J-Murata-datasheet-62117434.pdf?src-supplier=TME, ComponentLink6Description=https://datasheet.octopart.com/GCM188R71H104KA57J-Murata-datasheet-12557478.pdf, ComponentLink6URL=https://datasheet.octopart.com/GCM188R71H104KA57J-Murata-datasheet-12557478.pdf, ComponentLink7Description=https://datasheet.octopart.com:443/GCM188R71H104KA57J-Murata-datasheet-44104515.pdf?src-supplier=Future+Electronics, ComponentLink7URL=https://datasheet.octopart.com:443/GCM188R71H104KA57J-Murata-datasheet-44104515.pdf?src-supplier=Future+Electronics, ComponentLink8Description=http://sigma.octopart.com:80/reach_statement/Murata-company-16.pdf?src-supplier=Compliance+Statements, ComponentLink8URL=http://sigma.octopart.com:80/reach_statement/Murata-company-16.pdf?src-supplier=Compliance+Statements, Depth=800µm, Height=800µm, Lead Free="Lead Free", Length=1.6mm, Lifecycle Status=NRND, Manufacturer Part Number=GCM188R71H104KA57J, Material=Ceramic, Mounting Technology="Surface Mount", Number of Terminals=2, Packaging="Cut Tape", Pricing="1=0.21, 10=0.122, 50=0.0872, 100=0.0765, 500=0.05856, 1000=0.05242, 2500=0.04632, 5000=0.04387 (USD)", Radiation Hardening=No, REACH SVHC=Yes, RoHS=Compliant, Schedule B="8532240020, 8532240020|8532240020, 8532240020|8532240020|8532240020, 8532240020|8532240020|8532240020|8532240020", Stock=7504910, Supplier=DigiKey, Termination=SMD/SMT, Voltage Rating (DC)=50V, Width=800µm
C'5 C'6: library part GCM21BR71H224KA37L, "50V 220nF X7R ±10% 0805 Multilayer Ceramic Capacitors MLCC - SMD/SMT ROHS", Case Code (Imperial)=0805, Case Code (Metric)=2012, Dielectric=X7R, Dielectric Material=Ceramic, Manufacturer=Murata, Manufacturer Lifecycle Status="IN PRODUCTION", Max Operating Temperature=125°C, Min Operating Temperature=-55°C, Ratings=AEC-Q200, Supplier Part Number=490-4970-1-ND, Tolerance=10%, Voltage=50V, Case/Package=0805, Category="Ceramic Capacitors", ComponentLink1Description=https://datasheet.octopart.com:443/GCM21BR71H224KA37L-Murata-datasheet-39128456.pdf?src-supplier=Newark, ComponentLink1URL=https://datasheet.octopart.com:443/GCM21BR71H224KA37L-Murata-datasheet-39128456.pdf?src-supplier=Newark, ComponentLink2Description=https://datasheet.octopart.com:443/GCM21BR71H224KA37L-Murata-datasheet-62316967.pdf?src-supplier=element14+APAC, ComponentLink2URL=https://datasheet.octopart.com:443/GCM21BR71H224KA37L-Murata-datasheet-62316967.pdf?src-supplier=element14+APAC, ComponentLink3Description=https://datasheet.octopart.com:443/GCM21BR71H224KA37L-Murata-datasheet-141268707.pdf?src-supplier=Geoflip, ComponentLink3URL=https://datasheet.octopart.com:443/GCM21BR71H224KA37L-Murata-datasheet-141268707.pdf?src-supplier=Geoflip, ComponentLink4Description=https://datasheet.octopart.com:443/GCM21BR71H224KA37L-Murata-datasheet-12537955.pdf?src-supplier=_legacy+Avnet, ComponentLink4URL=https://datasheet.octopart.com:443/GCM21BR71H224KA37L-Murata-datasheet-12537955.pdf?src-supplier=_legacy+Avnet, ComponentLink5Description=https://datasheet.octopart.com:443/GCM21BR71H224KA37L-Murata-datasheet-14404536.pdf?src-supplier=Future+Electronics, ComponentLink5URL=https://datasheet.octopart.com:443/GCM21BR71H224KA37L-Murata-datasheet-14404536.pdf?src-supplier=Future+Electronics, ComponentLink6Description=https://datasheet.octopart.com:443/GCM21BR71H224KA37L-Murata-datasheet-12532847.pdf?src-supplier=Future+Electronics, ComponentLink6URL=https://datasheet.octopart.com:443/GCM21BR71H224KA37L-Murata-datasheet-12532847.pdf?src-supplier=Future+Electronics, ComponentLink7Description=https://datasheet.octopart.com:443/GCM21BR71H224KA37L-Murata-datasheet-44104636.pdf?src-supplier=Future+Electronics, ComponentLink7URL=https://datasheet.octopart.com:443/GCM21BR71H224KA37L-Murata-datasheet-44104636.pdf?src-supplier=Future+Electronics, ComponentLink8Description=https://datasheet.octopart.com:443/GCM21BR71H224KA37L-Murata-datasheet-165579661.pdf?src-supplier=TME, ComponentLink8URL=https://datasheet.octopart.com:443/GCM21BR71H224KA37L-Murata-datasheet-165579661.pdf?src-supplier=TME, ComponentLink9Description=https://datasheet.octopart.com:443/GCM21BR71H224KA37L-Murata-datasheet-140660345.pdf?src-supplier=Ciiva, ComponentLink9URL=https://datasheet.octopart.com:443/GCM21BR71H224KA37L-Murata-datasheet-140660345.pdf?src-supplier=Ciiva, ComponentLink10Description=https://datasheet.octopart.com:443/GCM21BR71H224KA37L-Murata-datasheet-138719669.pdf?src-supplier=Ciiva, ComponentLink10URL=https://datasheet.octopart.com:443/GCM21BR71H224KA37L-Murata-datasheet-138719669.pdf?src-supplier=Ciiva, ComponentLink11Description=http://sigma.octopart.com:80/reach_statement/Murata-company-16.pdf?src-supplier=Compliance+Statements, ComponentLink11URL=http://sigma.octopart.com:80/reach_statement/Murata-company-16.pdf?src-supplier=Compliance+Statements, Depth=1.25mm, Height=1.25mm, Lead Free="Lead Free", Length=2mm, Lifecycle Status=Production, Manufacturer Part Number=GCM21BR71H224KA37L, Material=Ceramic, Mounting Technology="Surface Mount", Number of Terminals=2, Packaging="Cut Tape", Pricing="1=0.24, 10=0.14, 50=0.1004, 100=0.0834, 500=0.06828, 1000=0.05992 (USD)", Radiation Hardening=No, REACH SVHC=Yes, RoHS=Compliant, Schedule B="8532240020, 8532240020|8532240020, 8532240020|8532240020|8532240020, 8532240020|8532240020|8532240020|8532240020", Stock=90596, Supplier=DigiKey, Termination=SMD/SMT, Voltage Rating=50V, Voltage Rating (DC)=50V, Width=1.25mm